# KiCad board kunji-patol-kicad.kicad_pcb (continued)
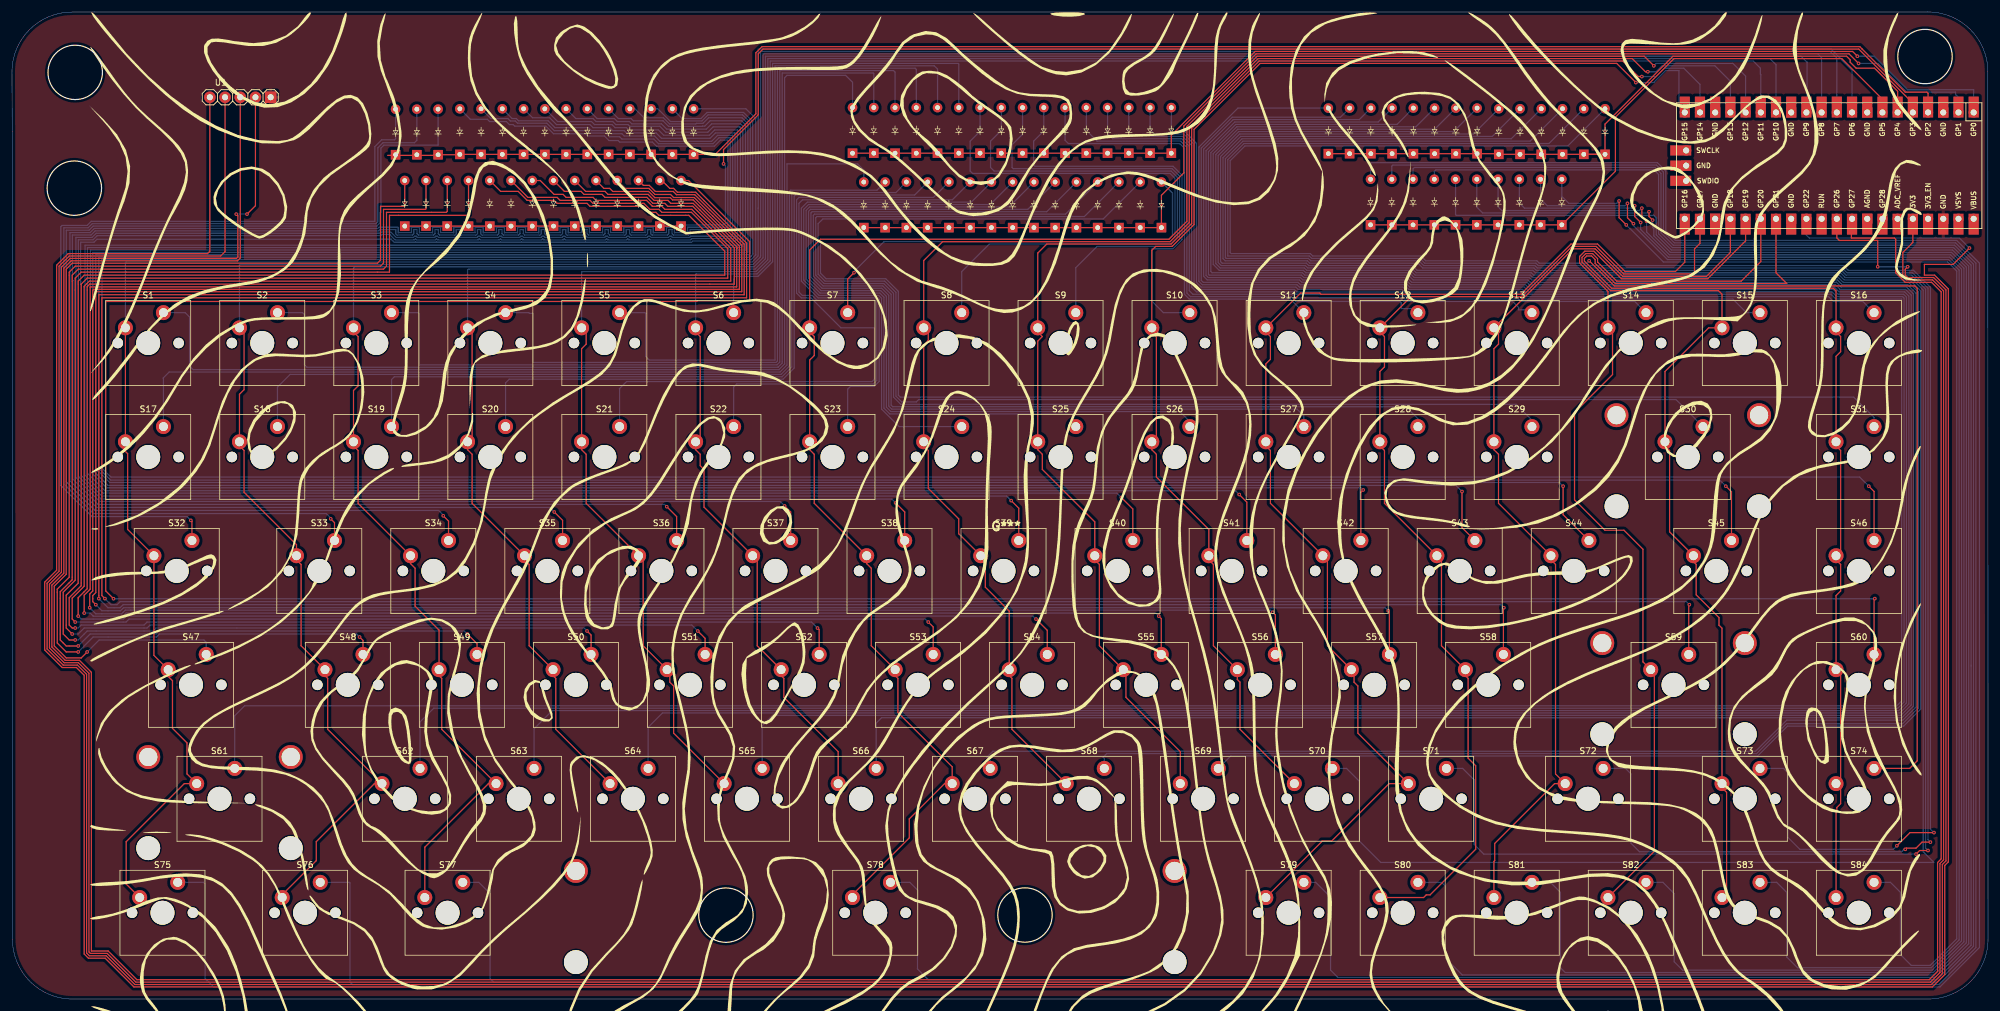
[diagram p0: board, top side]
## Routing (per net, layer and track width the routed paths; a pad name or vN(x,y) marks a point on that pad's centre or on a via; arc(x,y) is an arc through that point) (continued)
  Top w0.2: U2.22 281.97,126.34 281.06,125.43 281.06,121.23 269.23,121.23 264.63,125.83 260.59,125.83 252.19,117.43 233.71,117.43 S12.1 228.5,111.53 229.27,110.76 229.27,105.68 228.5,104.92 S28.1 228.5,92.48 229.27,91.71 229.27,82.88 S43.1 238.79,73.35 238.79,59.07 S58.1 242.79,54.06 243.24,53.61 243.24,40.28 244.51,39.01 244.51,25.04 236.89,17.42 236.25,17.42 235.8,16.97 S80.1
col 12: length 160.9
  Top w0.2: U2.24 287.05,124.82 283.06,120.83 269.06,120.83 264.46,125.43 260.76,125.43 S13.1 248.32,111.45 248.32,109.49 247.55,108.73 S29.1 247.55,91.85 248.32,91.08 248.32,82.88 S44.1 257.08,73.43 257.84,72.66 257.84,37.63 S72.1 257.69,36.02 247.68,26.01 247.68,23.13 247.55,23 S81.1
col 13: length 159
  Top w0.2: S82.1 274.35,24.72 274.35,54.46 S59.1 272.45,56.37 272.45,75.2 269.27,78.38 266.1,78.38 261.02,83.46 261.02,98.06 267.37,104.41 267.37,111.45 S14.1 266.6,118.31 261.86,123.05 261.86,124.16 262.73,125.03 264.26,125.03 268.86,120.43 283.26,120.43 289.59,126.76 U2.25
col 14: length 178
  Top w0.2: S83.1 286.42,17.74 286.42,34.56 285.65,35.33 S73.1 285.65,62 285.15,62.5 285.15,63.77 281.34,67.58 281.34,72.66 280.89,73.11 S45.1 276.89,78.12 276.89,91.71 276.13,92.48 S30.1 276.13,104.92 283.43,112.22 S15.1 285.65,117.84 285.06,118.43 267.05,118.43 262.26,123.21 262.26,123.99 262.9,124.63 264.03,124.63 264.86,123.79 264.86,123.16 264.93,123.16 268.06,120.03 288.86,120.03 292.13,123.3 U2.26
col 15: length 197
  Top w0.2: S84.1 304.7,31.26 304.83,31.39 304.83,32.02 305.47,32.66 305.47,35.25 S74.1 305.47,36.79 305.47,54.3 S60.1 304.7,67.45 305.47,68.22 305.47,72.66 304.7,73.43 S46.1 305.47,74.89 305.47,91.71 304.7,92.48 S31.1 304.7,107.46 305.47,108.22 305.47,110.76 304.7,111.53 S16.1 304.7,118.39 304.26,118.83 267.21,118.83 262.66,123.38 262.66,123.83 263.06,124.23 263.86,124.23 264.46,123.63 264.46,122.99 267.83,119.63 296.46,119.63 294.67,121.42 U2.27
dt: length 630.8
  Top w0.2: U2.31 304.83,127.26 305.26,126.83 311.66,126.83 v1(311.66,122.43) ; U1.DT 35.59,124.96 34.86,124.23 9.56,124.23 7.86,122.53 7.86,71.53 5.86,69.53 5.86,58.53 8.56,55.83 10.93,55.83 12.46,54.3 12.46,7.7 12.93,7.23 15.73,7.23 20.53,2.43 320.63,2.43 322.46,4.26 322.46,22.5 323.06,23.1 323.06,118.56 320.99,120.63 316.66,120.63 316.26,121.03 316.26,122.03 v1(316.66,122.43)
  Bottom w0.2: v1(311.66,122.43) v1(316.66,122.43)
row 0: length 202.5
  Top w0.2: v1(308.26,157.63) 307.46,158.43 207.66,158.43 193.66,144.43 D16.1 D1.1
  Bottom w0.2: v1(308.26,157.63) 311.06,157.63 316.66,152.03 327.66,152.03 327.69,152 U2.1
row 1: length 208.4
  Top w0.2: D17.1 D31.1 192.01,134.38 195.74,138.11 195.74,145.95 207.83,158.03 306.86,158.03 v1(308.46,156.43)
  Bottom w0.2: v1(308.46,156.43) 311.7,156.43 316.5,151.63 324.66,151.63 324.66,151.23 325.15,150.74 U2.2
row 2: length 276.6
  Top w0.2: 70.52,141.22 70.35,141.05 62.76,141.05 ; D34.1 74.75,141.16 D35.1 D46.1 117.49,141.22 124.26,147.99 124.26,158.19 125.3,159.23 308.66,159.23 309.06,158.83 309.06,158.82 316.26,151.63 319.86,151.63 320.07,151.42 U2.4
row 3: length 283.1
  Top w0.2: D47.1 D60.1 ; U2.5 317.53,149.79 308.49,158.83 125.46,158.83 124.66,158.03 124.66,147.83 118.86,142.03 v1(118.86,139.63)
  Bottom w0.2: D60.1 111.96,129.43 118.86,129.43 119.19,129.75 119.19,139.3 v1(118.86,139.63)
row 4: length 114.6
  Top w0.2: D74.1 D69.1 248.25,141.34 D68.1 D61.1 ; D74.1 D73.1 ; D74.1 266.11,146.28 277.46,157.63 306.46,157.63 307.06,157.03 307.06,156.63 308.06,155.63 311.13,155.63 314.99,151.76 U2.6
row 5: length 107.3
  Top w0.2: U2.7 312.45,150.44 305.66,157.23 277.63,157.23 267.84,147.45 267.84,138.39 D84.1 D75.1
sw: length 626.3
  Top w0.2: U2.32 307.26,130.34 307.26,127.23 314.46,127.23 314.66,127.03 314.66,121.43 316.26,119.83 320.66,119.83 322.26,118.23 322.26,23.43 321.66,22.83 321.66,4.63 320.26,3.23 20.86,3.23 16.06,8.03 13.26,8.03 13.26,54.63 11.26,56.63 8.9,56.63 6.66,58.86 6.66,69.19 8.66,71.19 8.66,122.19 9.9,123.43 37.66,123.43 38.13,123.9 U1.SW
Net-(D1-A): length 177
  Bottom w0.2: S1.2 28.93,114.76 29.66,114.03 29.66,105.83 30.26,105.23 128.12,105.23 129.06,106.17 129.06,106.23 129.06,154.03 129.46,154.43 139.26,154.43 140.41,153.28 D1.2
Net-(D2-A): length 162.9
  Bottom w0.2: 128.01,105.68 128.66,106.33 128.66,106.63 128.66,154.83 143.86,154.83 143.96,154.73 D2.2 ; 128.01,105.68 127.96,105.63 ; 128.01,105.68 127.96,105.63 ; S2.2 48.53,114.76 48.86,114.43 48.86,106.03 49.26,105.63 127.96,105.63
Net-(D3-A): length 147.7
  Bottom w0.2: D3.2 147.51,154.98 147.26,155.23 128.26,155.23 128.26,106.5 127.79,106.03 68.06,106.03 68.06,114.63 67.93,114.76 S3.2
Net-(D4-A): length 132.4
  Bottom w0.2: D4.2 151.06,155.43 150.86,155.63 127.86,155.63 127.86,106.66 127.63,106.43 87.06,106.43 87.06,114.63 86.46,114.63 86.33,114.76 S4.2
Net-(D5-A): length 116.5
  Bottom w0.2: D5.2 154.61,155.48 154.06,156.03 127.46,156.03 127.46,106.83 106.46,106.83 105.86,107.43 105.86,114.63 105.73,114.76 S5.2
Net-(D6-A): length 85.1
  Bottom w0.2: D6.2 158.16,156.33 158.06,156.43 127.06,156.43 127.06,123.27 124.62,120.83 120.66,120.83 120.66,120.43 120.55,120.32 S6.2
Net-(D7-A): length 119.1
  Top w0.2: v1(140.66,121.43) 139.6,120.37 S7.2
  Bottom w0.2: v1(140.66,121.43) 140.66,121.63 145.66,126.63 193.43,126.63 194.26,127.46 194.26,137.23 193.46,138.03 160.46,138.03 160.06,138.43 160.06,143.43 161.71,145.08 D7.2
Net-(D8-A): length 98
  Bottom w0.2: S8.2 158.65,121.62 163.26,126.23 193.59,126.23 194.66,127.3 194.66,137.39 193.63,138.43 164.06,138.43 163.46,139.03 163.46,143.43 165.26,145.23 D8.2
Net-(D9-A): length 76.7
  Bottom w0.2: S9.2 177.7,122.27 181.26,125.83 193.76,125.83 195.06,127.13 195.06,137.56 193.79,138.83 167.26,138.83 167.06,139.03 167.06,142.83 168.81,144.58 D9.2
Net-(D10-A): length 68.1
  Bottom w0.2: S10.2 192.33,114.76 190.46,116.63 190.46,125.43 193.92,125.43 195.46,126.97 195.46,137.73 193.96,139.23 170.86,139.23 170.66,139.43 170.66,143.43 172.36,145.13 D10.2
Net-(D11-A): length 71.6
  Bottom w0.2: S11.2 213.53,117.03 196.66,117.03 195.86,117.83 195.86,142.23 195.06,143.03 176.46,143.03 175.91,143.58 D11.2
Net-(D12-A): length 86.7
  Bottom w0.2: S12.2 234.18,115.43 232.06,115.43 232.06,116.43 231.86,116.63 214.5,116.63 213.7,117.43 196.86,117.43 196.26,118.03 196.26,142.39 195.23,143.43 181.26,143.43 179.46,145.23 D12.2
Net-(D13-A): length 102
  Bottom w0.2: S13.2 253.43,115.23 251.66,115.23 251.66,115.63 250.66,116.63 232.46,116.63 231.86,117.23 214.46,117.23 213.86,117.83 197.26,117.83 196.66,118.43 196.66,142.56 195.39,143.83 183.86,143.83 183.01,144.68 D13.2
Net-(D14-A): length 117.1
  Bottom w0.2: S14.2 271.08,116.63 252.06,116.63 251.66,117.03 232.66,117.03 231.86,117.83 214.46,117.83 214.06,118.23 197.86,118.23 197.06,119.03 197.06,142.73 195.56,144.23 186.86,144.23 186.56,144.53 D14.2
Net-(D15-A): length 132.1
  Bottom w0.2: D15.2 190.11,145.38 190.86,144.63 195.72,144.63 197.46,142.89 197.46,119.19 198.03,118.63 214.23,118.63 214.63,118.23 232.03,118.23 232.83,117.43 251.83,117.43 252.23,117.03 287.46,117.03 289.73,114.76 S15.2
Net-(D16-A): length 147.8
  Bottom w0.2: D16.2 193.66,145.23 193.46,145.03 195.89,145.03 197.86,143.06 197.86,119.83 198.66,119.03 214.46,119.03 214.86,118.63 232.19,118.63 232.99,117.83 251.99,117.83 252.39,117.43 303.46,117.43 304.26,116.63 309.18,116.63 S16.2
Net-(D17-A): length 162.1
  Bottom w0.2: D17.2 142.29,138.6 141.26,139.63 129.46,139.63 129.46,106 128.29,104.83 26.26,104.83 25.26,103.83 25.3,103.79 S17.2
Net-(D18-A): length 139.4
  Bottom w0.2: D18.2 144.49,135.23 130.06,135.23 129.86,135.03 129.86,105.83 128.46,104.43 46.46,104.43 44.35,102.32 S18.2
Net-(D19-A): length 124.5
  Bottom w0.2: D19.2 147.64,134.83 130.46,134.83 130.26,134.63 130.26,105.66 128.63,104.03 63.86,104.03 63.4,103.57 S19.2
Net-(D20-A): length 108.6
  Bottom w0.2: D20.2 150.79,134.43 130.86,134.43 130.66,134.23 130.66,105.5 128.79,103.63 83.06,103.63 82.45,103.02 S20.2
Net-(D21-A): length 115.9
  Bottom w0.2: D21.2 153.94,134.03 131.46,134.03 131.06,133.63 131.06,118.03 131.86,117.23 133.46,117.23 138.46,112.23 144.06,112.23 144.06,103.63 143.66,103.23 102.66,103.23 101.46,102.03 101.5,101.99 S21.2
Net-(D22-A): length 102.9
  Bottom w0.2: D22.2 157.09,133.63 132.06,133.63 131.46,133.03 131.46,118.19 132.03,117.63 133.66,117.63 134.46,116.83 144.46,116.83 144.46,103.43 143.86,102.83 121.06,102.83 120.55,102.32 S22.2
Net-(D23-A): length 85.8
  Bottom w0.2: S23.2 139.6,101.97 140.06,102.43 144.03,102.43 144.86,103.26 144.86,116.99 144.63,117.23 134.66,117.23 131.86,120.03 131.86,132.23 132.86,133.23 160.24,133.23 D23.2
Net-(D24-A): length 96
  Bottom w0.2: S24.2 148.18,95.71 145.26,98.63 145.26,117.16 144.79,117.63 134.83,117.63 132.26,120.19 132.26,132.03 133.06,132.83 163.39,132.83 D24.2
Net-(D25-A): length 118.6
  Bottom w0.2: S25.2 177.26,96.15 177.26,97.83 146.63,97.83 145.66,98.79 145.66,117.33 144.96,118.03 134.99,118.03 132.66,120.36 132.66,131.86 133.23,132.43 166.54,132.43 D25.2
Net-(D26-A): length 139.7
  Bottom w0.2: S26.2 196.75,96.54 195.06,98.23 146.79,98.23 146.06,98.96 146.06,117.49 145.12,118.43 135.16,118.43 133.06,120.53 133.06,131.7 133.39,132.03 169.69,132.03 D26.2
Net-(D27-A): length 161.8
  Bottom w0.2: D27.2 172.84,131.63 133.66,131.63 133.46,131.43 133.46,120.69 135.32,118.83 145.29,118.83 146.46,117.66 146.46,99.13 146.96,98.63 214.66,98.63 215.8,97.49 S27.2
Net-(D28-A): length 183
  Bottom w0.2: S28.2 234.85,97.04 232.86,99.03 147.12,99.03 146.86,99.29 146.86,117.82 145.46,119.23 135.49,119.23 133.86,120.86 133.86,131.03 134.06,131.23 175.99,131.23 D28.2
Net-(D29-A): length 203.7
  Bottom w0.2: D29.2 179.14,130.83 134.46,130.83 134.26,130.63 134.26,121.02 135.66,119.63 145.62,119.63 147.26,117.99 147.26,100.63 148.46,99.43 251.26,99.43 253.9,96.79 S29.2
Net-(D30-A): length 234
  Bottom w0.2: S30.2 277.96,100.23 151.46,100.23 151.06,99.83 148.63,99.83 147.66,100.79 147.66,118.15 145.79,120.03 135.82,120.03 134.66,121.19 134.66,129.63 135.46,130.43 182.29,130.43 D30.2
Net-(D31-A): length 272.1
  Bottom w0.2: S31.2 311.05,97.24 307.66,100.63 148.39,100.63 148.06,100.96 148.06,118.32 145.95,120.43 135.99,120.43 135.06,121.35 135.06,127.03 193.26,127.03 193.86,127.63 193.86,134.75 D31.2
Net-(D32-A): length 145.1
  Top w0.2: S32.2 30.06,79.84 v1(29.88,80.03)
  Bottom w0.2: D32.2 64.08,143.83 63.91,143.66 61.75,143.66 60.61,142.51 60.61,130.03 13.24,130.03 12.55,129.34 8.37,129.34 8.16,129.13 8.16,85.87 13.37,80.66 29.24,80.66 v1(29.88,80.03)
Net-(D33-A): length 171.2
  Top w0.2: v1(53.24,80.28) 53.88,79.65 S33.2
  Bottom w0.2: D33.2 67.63,143.57 67.23,143.17 61.97,143.17 61.12,142.32 61.12,129.97 60.78,129.63 13.4,129.63 12.71,128.94 8.67,128.94 8.67,86.13 13.62,81.17 52.48,81.17 53.24,80.41 v1(53.24,80.28)
Net-(D34-A): length 193.2
  Top w0.2: S34.2 72.93,79.91 v1(72.04,80.79)
  Bottom w0.2: D34.2 71.18,142.8 71.15,142.77 62.13,142.77 61.63,142.26 61.63,131.59 61.52,131.49 61.52,129.81 60.94,129.23 13.57,129.23 12.88,128.54 9.07,128.54 9.07,86.49 13.87,81.68 71.28,81.68 72.04,80.92 v1(72.04,80.79)
Net-(D35-A): length 327.7
  Top w0.2: v1(90.58,81.43) 91.98,80.03 S35.2
  Bottom w0.2: v1(90.58,81.43) 89.82,82.19 14.13,82.19 9.68,86.63 9.68,128.14 13.04,128.14 13.74,128.83 61.11,128.83 61.31,129.03 64.51,129.03 64.51,128.13 66.71,128.13 66.71,129.03 68.06,129.03 68.06,128.13 70.26,128.13 70.26,129.03 71.61,129.03 71.61,128.13 73.81,128.13 73.81,129.03 75.16,129.03 75.16,128.13 77.36,128.13 77.36,129.03 78.71,129.03 78.71,128.13 80.91,128.13 80.91,129.03 82.26,129.03 82.26,128.13 84.46,128.13 84.46,129.03 85.81,129.03 85.81,128.13 88.01,128.13 88.01,129.03 89.36,129.03 89.36,128.13 91.56,128.13 91.56,129.03 92.91,129.03 92.91,128.13 95.11,128.13 95.11,129.03 96.46,129.03 96.46,128.13 98.66,128.13 98.66,129.03 100.01,129.03 100.01,128.13 102.21,128.13 102.21,129.03 103.56,129.03 103.56,128.13 105.76,128.13 105.76,129.03 107.11,129.03 107.11,128.13 109.31,128.13 109.31,129.03 110.66,129.03 110.66,128.13 112.86,128.13 112.86,129.03 119.59,129.03 119.59,143.6 118.34,143.6 117.34,142.6 107.64,142.6 106.97,143.28 101.5,143.28 101.25,143.53 99.73,143.53 98.96,144.29 96.17,144.29 95.79,144.67 90.46,144.67 89.19,145.94 83.98,145.94 83.72,146.2 83.09,146.2 82.58,146.7 79.79,146.7 79.41,147.09 76.56,147.09 D35.2
Net-(D36-A): length 339.6
  Top w0.2: S36.2 111.03,80.67 v1(109.38,82.32)
  Bottom w0.2: D36.2 79.99,147.21 82.84,147.21 83.25,146.8 84.08,146.8 84.45,146.43 89.33,146.43 90.58,145.18 96.17,145.18 96.57,144.78 99.22,144.78 99.83,144.16 101.5,144.16 101.89,143.78 107.22,143.78 108,143 117.11,143 118.1,144 119.99,144 119.99,129.03 119.99,128.86 119.75,128.63 113.26,128.63 113.26,127.96 113.03,127.73 110.5,127.73 110.26,127.96 110.26,128.63 109.71,128.63 109.71,127.96 109.48,127.73 106.95,127.73 106.71,127.96 106.71,128.63 106.16,128.63 106.16,127.96 105.93,127.73 103.4,127.73 103.16,127.96 103.16,128.63 102.61,128.63 102.61,127.96 102.38,127.73 99.85,127.73 99.61,127.96 99.61,128.63 99.06,128.63 99.06,127.96 98.83,127.73 96.3,127.73 96.06,127.96 96.06,128.63 95.51,128.63 95.51,127.96 95.28,127.73 92.75,127.73 92.51,127.96 92.51,128.63 91.96,128.63 91.96,127.96 91.73,127.73 89.2,127.73 88.96,127.96 88.96,128.63 88.41,128.63 88.41,127.96 88.18,127.73 85.65,127.73 85.41,127.96 85.41,128.63 84.86,128.63 84.86,127.96 84.63,127.73 82.1,127.73 81.86,127.96 81.86,128.63 81.31,128.63 81.31,127.96 81.08,127.73 78.55,127.73 78.31,127.96 78.31,128.63 77.76,128.63 77.76,127.96 77.53,127.73 75,127.73 74.76,127.96 74.76,128.63 74.21,128.63 74.21,127.96 73.98,127.73 71.45,127.73 71.21,127.96 71.21,128.63 70.66,128.63 70.66,127.96 70.43,127.73 67.9,127.73 67.66,127.96 67.66,128.63 67.11,128.63 67.11,127.96 66.88,127.73 64.35,127.73 64.11,127.96 64.11,128.63 61.47,128.63 61.27,128.43 13.9,128.43 13.21,127.74 10.08,127.74 10.08,120.27 10.19,120.16 10.19,86.89 14.38,82.7 109,82.7 v1(109.38,82.32)
Net-(D37-A): length 337.4
  Top w0.2: v1(129.06,82.44) 130.08,81.43 S37.2
  Bottom w0.2: D37.2 83.54,147.21 84.23,147.21 84.61,146.83 89.57,146.83 90.71,145.69 96.3,145.69 96.81,145.18 99.6,145.18 100.11,144.67 101.89,144.67 102.27,144.29 107.35,144.29 108.24,143.4 116.87,143.4 117.87,144.4 120.39,144.4 120.39,127.53 113.39,127.53 113.19,127.33 110.33,127.33 110.13,127.53 109.84,127.53 109.64,127.33 106.78,127.33 106.58,127.53 106.29,127.53 106.09,127.33 103.23,127.33 103.03,127.53 102.74,127.53 102.54,127.33 99.68,127.33 99.48,127.53 99.19,127.53 98.99,127.33 96.13,127.33 95.93,127.53 95.64,127.53 95.44,127.33 92.58,127.33 92.38,127.53 92.09,127.53 91.89,127.33 89.03,127.33 88.83,127.53 88.54,127.53 88.34,127.33 85.48,127.33 85.28,127.53 84.99,127.53 84.79,127.33 81.93,127.33 81.73,127.53 81.44,127.53 81.24,127.33 78.38,127.33 78.18,127.53 77.89,127.53 77.69,127.33 74.83,127.33 74.63,127.53 74.34,127.53 74.14,127.33 71.28,127.33 71.08,127.53 70.79,127.53 70.59,127.33 67.73,127.33 67.53,127.53 67.24,127.53 67.04,127.33 64.18,127.33 63.28,128.23 61.64,128.23 61.44,128.03 14.07,128.03 13.38,127.34 10.68,127.34 10.68,87.16 14.66,83.18 128.32,83.18 v1(129.06,82.44)
Net-(D38-A): length 352.6
  Top w0.2: v1(147.61,82.95) 149.13,81.43 S38.2
  Bottom w0.2: v1(147.61,82.95) 146.97,83.59 14.89,83.59 11.08,87.4 11.08,119.78 11.08,119.78 11.08,126.94 13.54,126.94 14.23,127.63 61.6,127.63 61.8,127.83 63.11,127.83 64.01,126.93 67.21,126.93 67.39,127.11 67.56,126.93 70.76,126.93 70.94,127.11 71.11,126.93 74.31,126.93 74.49,127.11 74.66,126.93 77.86,126.93 78.04,127.11 78.21,126.93 81.41,126.93 81.59,127.11 81.76,126.93 84.96,126.93 85.14,127.11 85.31,126.93 88.51,126.93 88.69,127.11 88.86,126.93 92.06,126.93 92.24,127.11 92.41,126.93 95.61,126.93 95.79,127.11 95.96,126.93 99.16,126.93 99.34,127.11 99.51,126.93 102.71,126.93 102.89,127.11 103.06,126.93 106.26,126.93 106.44,127.11 106.61,126.93 109.81,126.93 109.99,127.11 110.16,126.93 113.36,126.93 113.56,127.13 120.55,127.13 120.79,127.36 120.79,127.53 120.79,127.53 120.79,144.8 117.51,144.8 116.62,143.91 108.49,143.91 107.6,144.8 102.65,144.8 102.27,145.18 100.36,145.18 99.85,145.69 97.06,145.69 96.55,146.2 90.96,146.2 89.82,147.34 86.96,147.34 D38.2
Net-(D39-A): length 366.4
  Top w0.2: v1(166.91,83.33) 168.18,82.07 S39.2
  Bottom w0.2: v1(166.91,83.33) 166.15,84.09 15.02,84.09 11.59,87.52 11.59,119.4 11.48,119.51 11.48,119.95 11.48,119.95 11.48,126.54 13.71,126.54 14.2,127.03 63.35,127.03 63.85,126.53 67.37,126.53 67.39,126.54 67.4,126.53 70.92,126.53 70.94,126.54 70.95,126.53 74.47,126.53 74.49,126.54 74.5,126.53 78.02,126.53 78.04,126.54 78.05,126.53 81.57,126.53 81.59,126.54 81.6,126.53 85.12,126.53 85.14,126.54 85.15,126.53 88.67,126.53 88.69,126.54 88.7,126.53 92.22,126.53 92.24,126.54 92.25,126.53 95.77,126.53 95.79,126.54 95.8,126.53 99.32,126.53 99.34,126.54 99.35,126.53 102.87,126.53 102.89,126.54 102.9,126.53 106.42,126.53 106.44,126.54 106.45,126.53 109.97,126.53 109.99,126.54 110,126.53 113.52,126.53 113.72,126.73 120.72,126.73 121.02,127.03 121.19,127.03 121.19,145.31 117.38,145.31 116.49,144.42 108.87,144.42 107.98,145.31 103.03,145.31 102.65,145.69 100.74,145.69 100.23,146.2 97.31,146.2 96.81,146.7 91.15,146.7 D39.2
Net-(D40-A): length 381.4
  Top w0.2: S40.2 187.23,81.94 v1(185.32,83.84)
  Bottom w0.2: v1(185.32,83.84) 184.58,84.58 15.16,84.58 12.2,87.54 12.2,126.03 121.68,126.03 121.68,145.71 121.57,145.82 117.13,145.82 116.24,144.93 109.21,144.93 108.22,145.92 103.18,145.92 102.9,146.2 100.87,146.2 100.36,146.7 97.57,146.7 97.06,147.21 94.19,147.21 D40.2
Net-(D41-A): length 397.4
  Top w0.2: v1(205.01,84.35) 206.28,83.08 S41.2
  Bottom w0.2: v1(205.01,84.35) 204.37,84.98 15.53,84.98 12.6,87.9 12.6,125.63 121.84,125.63 122.04,125.83 122.08,125.83 122.08,145.94 121.7,146.32 116.87,146.32 115.98,145.43 109.38,145.43 108.49,146.32 103.54,146.32 103.16,146.7 101.12,146.7 100.62,147.21 97.74,147.21 D41.2
Net-(D42-A): length 414.8
  Top w0.2: S42.2 225.33,84.72 v1(225.71,85.11)
  Bottom w0.2: v1(225.71,85.11) 225.35,85.47 15.8,85.47 13.24,88.03 13.11,88.03 13.11,88.28 13.09,88.3 13.09,125.23 122.53,125.23 122.53,146.21 121.9,146.83 116.62,146.83 115.73,145.94 115.35,145.94 115.31,145.9 109.68,145.9 108.75,146.84 108.74,146.83 103.79,146.83 103.41,147.21 101.29,147.21 D42.2
Net-(D43-A): length 428.3
  Top w0.2: S43.2 242.22,78.81 v1(242.22,84.86)
  Bottom w0.2: v1(242.22,84.86) 241.2,85.87 16.03,85.87 13.49,88.41 13.49,124.83 122.93,124.83 122.93,146.37 121.96,147.34 116.36,147.34 115.43,146.41 114.33,146.41 114.22,146.3 109.85,146.3 108.81,147.34 105.57,147.34 104.07,148.84 D43.2
Net-(D44-A): length 442.8
  Top w0.2: v1(259.11,85.74) 259.11,80.97 S44.2
  Bottom w0.2: v1(259.11,85.74) 258.5,86.36 16.31,86.36 14.38,88.28 14.26,88.28 14,88.54 14,124.43 123.09,124.43 123.29,124.63 123.33,124.63 123.33,146.54 122.04,147.83 116.28,147.83 115.26,146.81 112.15,146.81 112.05,146.7 110.01,146.7 107.88,148.84 D44.2
Net-(D45-A): length 464.6
  Top w0.2: v1(286.29,85.74) 287.24,84.8 S45.2
  Bottom w0.2: v1(286.29,85.74) 285.27,86.76 16.48,86.76 14.51,88.73 14.51,124.03 123.26,124.03 123.46,124.23 123.49,124.23 123.73,124.46 123.73,124.63 123.73,146.7 122.21,148.23 116.11,148.23 115.09,147.21 111.94,147.21 D45.2
Net-(D46-A): length 484.1
  Top w0.2: v1(310.17,85.74) 311.05,84.86 S46.2
  Bottom w0.2: 124.24,124.41 123.46,123.63 15.02,123.63 15.02,88.79 16.54,87.27 308.64,87.27 v1(310.17,85.74) ; 124.24,124.41 124.24,124.43 ; 124.24,124.41 124.24,147.2 122.6,148.84 D46.2
Net-(D47-A): length 163.9
  Top w0.2: v1(12.56,58.03) 11.56,57.03 9.06,57.03 7.06,59.03 7.06,69.03 9.06,71.03 9.06,122.03 10.06,123.03 61.06,123.03 61.56,123.53 61.56,132.53 65.56,132.53 65.61,132.58 D47.2
  Bottom w0.2: S47.2 32.44,59.65 32.06,60.03 14.56,60.03 v1(12.56,58.03)
Net-(D48-A): length 192.5
  Top w0.2: S48.2 58.64,59.95 v1(58.06,60.53) ; D48.2 69.16,132.13 69.06,132.03 62.06,132.03 62.06,123.03 61.56,122.53 10.56,122.53 9.56,121.53 9.56,70.53 7.56,68.53 7.56,59.53 9.06,58.03 v1(11.06,58.03)
  Bottom w0.2: v1(11.06,58.03) 13.56,60.53 24.13,60.53 24.63,61.03 57.56,61.03 v1(58.06,60.53)
Net-(D49-A): length 213.1
  Top w0.2: D49.2 72.71,131.68 72.56,131.53 62.56,131.53 62.56,122.53 62.06,122.03 11.06,122.03 10.06,121.03 10.06,70.1 8.06,68.1 8.06,60.03 9.06,59.03 v1(11.06,59.03) ; v1(76.06,61.03) 77.69,59.4 S49.2
  Bottom w0.2: v1(76.06,61.03) 75.56,61.53 24.56,61.53 24.06,61.03 13.06,61.03 v1(11.06,59.03)
Net-(D50-A): length 234.8
  Top w0.2: D50.2 76.26,131.23 76.06,131.03 63.06,131.03 63.06,121.53 11.56,121.53 10.56,120.53 10.56,70.03 8.56,68.03 8.56,61.03 9.56,60.03 v1(10.56,60.03) ; v1(96.06,61.53) 96.74,60.85 S50.2
  Bottom w0.2: v1(10.56,60.03) 11.06,60.03 12.56,61.53 23.56,61.53 24.06,62.03 95.56,62.03 v1(96.06,61.53)
Net-(D51-A): length 326.8
  Top w0.2: v1(10.06,61.03) 9.06,62.03 9.06,67.53 11.06,69.53 11.06,120.03 12.06,121.03 119.06,121.03 119.06,125.03 113.06,131.03 108.06,131.03 107.56,131.53 106.49,131.53 105.49,132.53 96.56,132.53 96.06,133.03 91.06,133.03 90.56,133.53 86.06,133.53 84.56,135.03 81.63,135.03 D51.2 ; S51.2 115.79,60.3 v1(114.56,61.53)
  Bottom w0.2: v1(114.56,61.53) 113.56,62.53 23.06,62.53 22.56,62.03 12.06,62.03 11.06,61.03 v1(10.06,61.03)
Net-(D52-A): length 342.7
  Top w0.2: D52.2 86.18,134.03 91.06,134.03 91.56,133.53 96.56,133.53 97.06,133.03 105.56,133.03 106.56,132.03 108.06,132.03 108.56,131.53 113.49,131.53 119.56,125.46 119.56,120.53 12.56,120.53 11.56,119.53 11.56,69.1 9.56,67.1 9.56,62.53 10.06,62.03 v1(10.56,62.03) ; v1(134.56,62.03) 134.84,61.75 S52.2
  Bottom w0.2: v1(134.56,62.03) 133.56,63.03 22.56,63.03 22.06,62.53 11.56,62.53 11.06,62.03 v1(10.56,62.03)
Net-(D53-A): length 357.5
  Top w0.2: S53.2 153.89,62.2 v1(153.06,63.03) ; v1(10.56,63.03) 10.06,63.53 10.06,67.03 12.06,69.03 12.06,119.16 12.93,120.03 120.06,120.03 120.06,125.53 113.56,132.03 109.06,132.03 108.56,132.53 106.99,132.53 105.99,133.53 97.56,133.53 97.06,134.03 92.56,134.03 92.06,134.53 90.56,134.53 88.24,136.85 D53.2
  Bottom w0.2: v1(153.06,63.03) 152.56,63.53 19.56,63.53 19.06,63.03 v1(10.56,63.03)
Net-(D54-A): length 372.2
  Top w0.2: v1(11.06,64.03) 11.06,67.1 12.56,68.6 12.56,119.1 12.99,119.53 120.66,119.53 120.66,125.6 113.73,132.53 109.56,132.53 109.06,133.03 107.06,133.03 106.06,134.03 99.06,134.03 98.56,134.53 95.56,134.53 95.06,135.03 92.28,135.03 D54.2 ; S54.2 172.94,61.65 v1(171.06,63.53)
  Bottom w0.2: v1(171.06,63.53) 170.56,64.03 19.13,64.03 18.63,63.53 11.56,63.53 v1(11.06,64.03)
Net-(D55-A): length 388.1
  Top w0.2: v1(12.06,64.53) 12.06,67.53 13.06,68.53 13.06,119.03 13.09,119.06 121.06,119.06 121.06,125.48 121.11,125.53 121.11,125.72 113.8,133.03 110.06,133.03 109.56,133.53 107.26,133.53 106.26,134.53 99.56,134.53 99.06,135.03 95.83,135.03 D55.2 ; S55.2 191.99,63.6 v1(191.56,64.03)
  Bottom w0.2: v1(191.56,64.03) 191.06,64.53 19.06,64.53 18.54,64.01 13.58,64.01 13.06,64.53 v1(12.06,64.53)
Net-(D56-A): length 402.8
  Top w0.2: v1(12.99,65.42) 12.99,67.71 13.49,68.22 13.49,118.51 13.64,118.66 121.51,118.66 121.51,125.89 113.79,133.6 110.36,133.6 109.98,133.98 107.38,133.98 106.34,135.02 100.36,135.02 99.85,135.53 98.88,135.53 D56.2 ; S56.2 211.04,64.22 v1(210.6,64.66)
  Bottom w0.2: v1(210.6,64.66) 210.24,65.02 18.93,65.02 18.32,64.41 14,64.41 v1(12.99,65.42)
Net-(D57-A): length 417.8
  Top w0.2: v1(229.9,64.92) 230.09,64.73 S57.2 ; D57.2 102.43,135.53 106.4,135.53 107.41,134.51 110.01,134.51 110.52,134 113.96,134 121.91,126.05 121.91,118.26 14,118.26 14,67.96 13.49,67.46 13.49,66.44 v1(14,65.93)
  Bottom w0.2: v1(229.9,64.92) 229.39,65.42 18.63,65.42 18.12,64.92 15.02,64.92 v1(14,65.93)
Net-(D58-A): length 432.7
  Top w0.2: D58.2 105.47,136.04 106.46,136.04 107.47,135.02 110.46,135.02 111,134.48 114.05,134.48 122.31,126.22 122.31,117.75 14.51,117.75 v1(14.51,66.95) ; v1(249.21,65.42) 249.14,65.36 S58.2
  Bottom w0.2: v1(14.51,66.95) 16.03,65.42 18.07,65.42 18.57,65.93 248.7,65.93 v1(249.21,65.42)
Net-(D59-A): length 460.1
  Top w0.2: v1(280.19,65.93) 280.09,65.83 S59.2 ; D59.2 108.57,136.85 109.89,135.53 110.52,135.53 111.16,134.89 114.2,134.89 122.71,126.38 122.71,117.24 15.02,117.24 15.02,67.46 v1(15.53,66.95)
  Bottom w0.2: v1(280.19,65.93) 279.69,66.44 18.07,66.44 17.56,65.93 16.54,65.93 v1(15.53,66.95)
Net-(D60-A): length 487.1
  Top w0.2: v1(311.18,66.95) 311.05,66.82 S60.2 ; D60.2 113.01,136.85 123.22,126.64 123.22,116.73 114.47,116.73 114.36,116.63 15.66,116.63 15.66,68.23 v1(16.96,66.93)
  Bottom w0.2: v1(311.18,66.95) 311.16,66.93 v1(16.96,66.93)
Net-(D61-A): length 520.9
  Bottom w0.2: 37.21,38.56 37.21,47.37 38.86,49.03 314.86,49.03 315.66,49.83 315.66,117.03 304.66,117.03 303.86,117.83 252.56,117.83 252.16,118.23 233.16,118.23 232.36,119.03 215.06,119.03 214.66,119.43 198.83,119.43 198.26,119.99 198.26,142.43 204.79,148.96 D61.2
Net-(D62-A): length 492.9
  Bottom w0.2: D62.2 221.91,147.43 203.83,147.43 198.66,142.26 198.66,120.16 198.99,119.83 214.83,119.83 215.23,119.43 232.52,119.43 233.32,118.63 252.32,118.63 252.72,118.23 304.03,118.23 304.83,117.43 315.83,117.43 316.06,117.19 316.06,49.66 315.03,48.63 70.46,48.63 68.16,46.33 S62.2
Net-(D63-A): length 476.4
  Bottom w0.2: D63.2 225.06,147.03 203.99,147.03 199.06,142.1 199.06,120.83 199.66,120.23 215.06,120.23 215.46,119.83 232.69,119.83 233.49,119.03 252.66,119.03 253.06,118.63 304.26,118.63 305.06,117.83 315.99,117.83 316.46,117.36 316.46,49.5 315.19,48.23 90.26,48.23 87.21,45.18 S63.2
Net-(D64-A): length 461
  Bottom w0.2: S64.2 106.26,45.43 108.66,47.83 315.36,47.83 316.86,49.33 316.86,117.53 316.16,118.23 305.23,118.23 304.43,119.03 253.23,119.03 252.83,119.43 233.66,119.43 232.86,120.23 215.63,120.23 215.23,120.63 199.83,120.63 199.46,120.99 199.46,141.83 204.26,146.63 228.21,146.63 D64.2
Net-(D65-A): length 445.6
  Bottom w0.2: D65.2 231.36,146.23 204.43,146.23 199.86,141.66 199.86,121.16 199.99,121.03 215.39,121.03 215.79,120.63 233.02,120.63 233.82,119.83 253.06,119.83 253.46,119.43 304.59,119.43 305.39,118.63 316.32,118.63 317.26,117.69 317.26,49.17 315.52,47.43 127.06,47.43 125.31,45.68 S65.2
Net-(D66-A): length 430.2
  Bottom w0.2: D66.2 234.51,145.83 204.59,145.83 200.26,141.5 200.26,121.63 200.46,121.43 215.56,121.43 215.96,121.03 233.26,121.03 234.06,120.23 253.23,120.23 253.63,119.83 304.76,119.83 305.56,119.03 316.49,119.03 317.66,117.86 317.66,49 315.69,47.03 145.26,47.03 144.36,46.13 S66.2
Net-(D67-A): length 411.6
  Bottom w0.2: D67.2 237.66,145.43 204.76,145.43 200.66,141.33 200.66,122.83 201.66,121.83 215.72,121.83 216.12,121.43 233.43,121.43 234.23,120.63 253.46,120.63 253.86,120.23 304.92,120.23 305.72,119.43 316.66,119.43 318.06,118.02 318.06,48.83 315.86,46.63 296.46,46.63 291.26,41.43 163.86,41.43 162.86,40.43 163.41,39.88 S67.2
Net-(D68-A): length 395.5
  Bottom w0.2: D68.2 240.81,145.03 204.92,145.03 201.09,141.2 201.09,122.96 201.83,122.23 215.89,122.23 216.29,121.83 233.59,121.83 234.39,121.03 253.63,121.03 254.03,120.63 305.09,120.63 305.89,119.83 316.82,119.83 318.46,118.19 318.46,48.67 315.82,46.03 296.43,46.03 291.43,41.03 182.86,41.03 182.26,40.43 182.46,40.23 S68.2
Net-(D69-A): length 378.7
  Bottom w0.2: S69.2 203.58,40.63 291.59,40.63 296.59,45.63 315.99,45.63 318.86,48.5 318.86,118.35 316.99,120.23 306.06,120.23 305.26,121.03 254.19,121.03 253.79,121.43 234.56,121.43 233.76,122.23 216.46,122.23 216.06,122.63 201.99,122.63 201.49,123.13 201.49,141.03 205.09,144.63 244.14,144.63 D69.2
Net-(D70-A): length 399.6
  Bottom w0.2: D70.2 247.29,144.23 205.26,144.23 201.89,140.87 201.89,123.29 202.16,123.03 216.22,123.03 216.62,122.63 233.92,122.63 234.72,121.83 254.06,121.83 254.46,121.43 305.42,121.43 306.22,120.63 317.15,120.63 319.26,118.52 319.26,24.63 321.06,22.83 228.66,22.83 225.06,26.43 225.06,36.43 222.93,38.56 S70.2
Net-(D71-A): length 379.9
  Top w0.2: v1(318.06,24.23) 318.66,24.83 v1(320.06,24.83)
  Bottom w0.2: v1(318.06,24.23) 245.86,24.23 244.26,25.83 244.26,36.63 242.33,38.56 S71.2 ; v1(320.06,24.83) 319.66,25.23 319.66,118.69 317.32,121.03 306.39,121.03 305.59,121.83 254.63,121.83 254.23,122.23 235.66,122.23 234.86,123.03 216.79,123.03 216.39,123.43 202.66,123.43 202.29,123.8 202.29,140.66 205.46,143.83 250.44,143.83 D71.2
Net-(D72-A): length 356.5
  Top w0.2: v1(320.46,26.23) 319.06,26.23 318.06,25.23 316.46,25.23 v1(316.26,25.03)
  Bottom w0.2: v1(316.26,25.03) 316.06,25.03 315.66,24.63 271.86,24.63 270.46,26.03 270.46,37.63 269.53,38.56 S72.2 ; D72.2 253.59,143.43 205.63,143.43 202.69,140.49 202.69,123.96 202.83,123.83 216.55,123.83 216.95,123.43 235.03,123.43 235.83,122.63 254.39,122.63 254.79,122.23 305.75,122.23 306.55,121.43 317.48,121.43 320.06,118.85 320.06,26.63 v1(320.46,26.23)
Net-(D73-A): length 332.2
  Top w0.2: v1(314.86,25.63) 317.06,27.83 v1(321.06,27.83)
  Bottom w0.2: v1(321.06,27.83) 320.46,28.43 320.46,119.02 317.65,121.83 306.72,121.83 305.92,122.63 254.96,122.63 254.56,123.03 235.99,123.03 235.19,123.83 217.12,123.83 216.72,124.23 203.09,124.23 203.09,140.33 205.79,143.03 256.74,143.03 D73.2 ; S73.2 295.93,38.56 296.66,37.83 296.66,27.03 298.66,25.03 314.26,25.03 v1(314.86,25.63)
Net-(D74-A): length 285.9
  Top w0.2: v1(263.46,123.43) 267.66,119.23 317.86,119.23 318.26,118.83 318.26,39.83 316.99,38.56 S74.2
  Bottom w0.2: v1(263.46,123.43) 263.06,123.03 255.12,123.03 254.72,123.43 236.16,123.43 235.36,124.23 217.28,124.23 216.88,124.63 203.66,124.63 203.49,124.8 203.49,140.16 205.96,142.63 259.89,142.63 D74.2
